# Altium PCB PCB.PcbDoc (part 11 of 11) (continued)
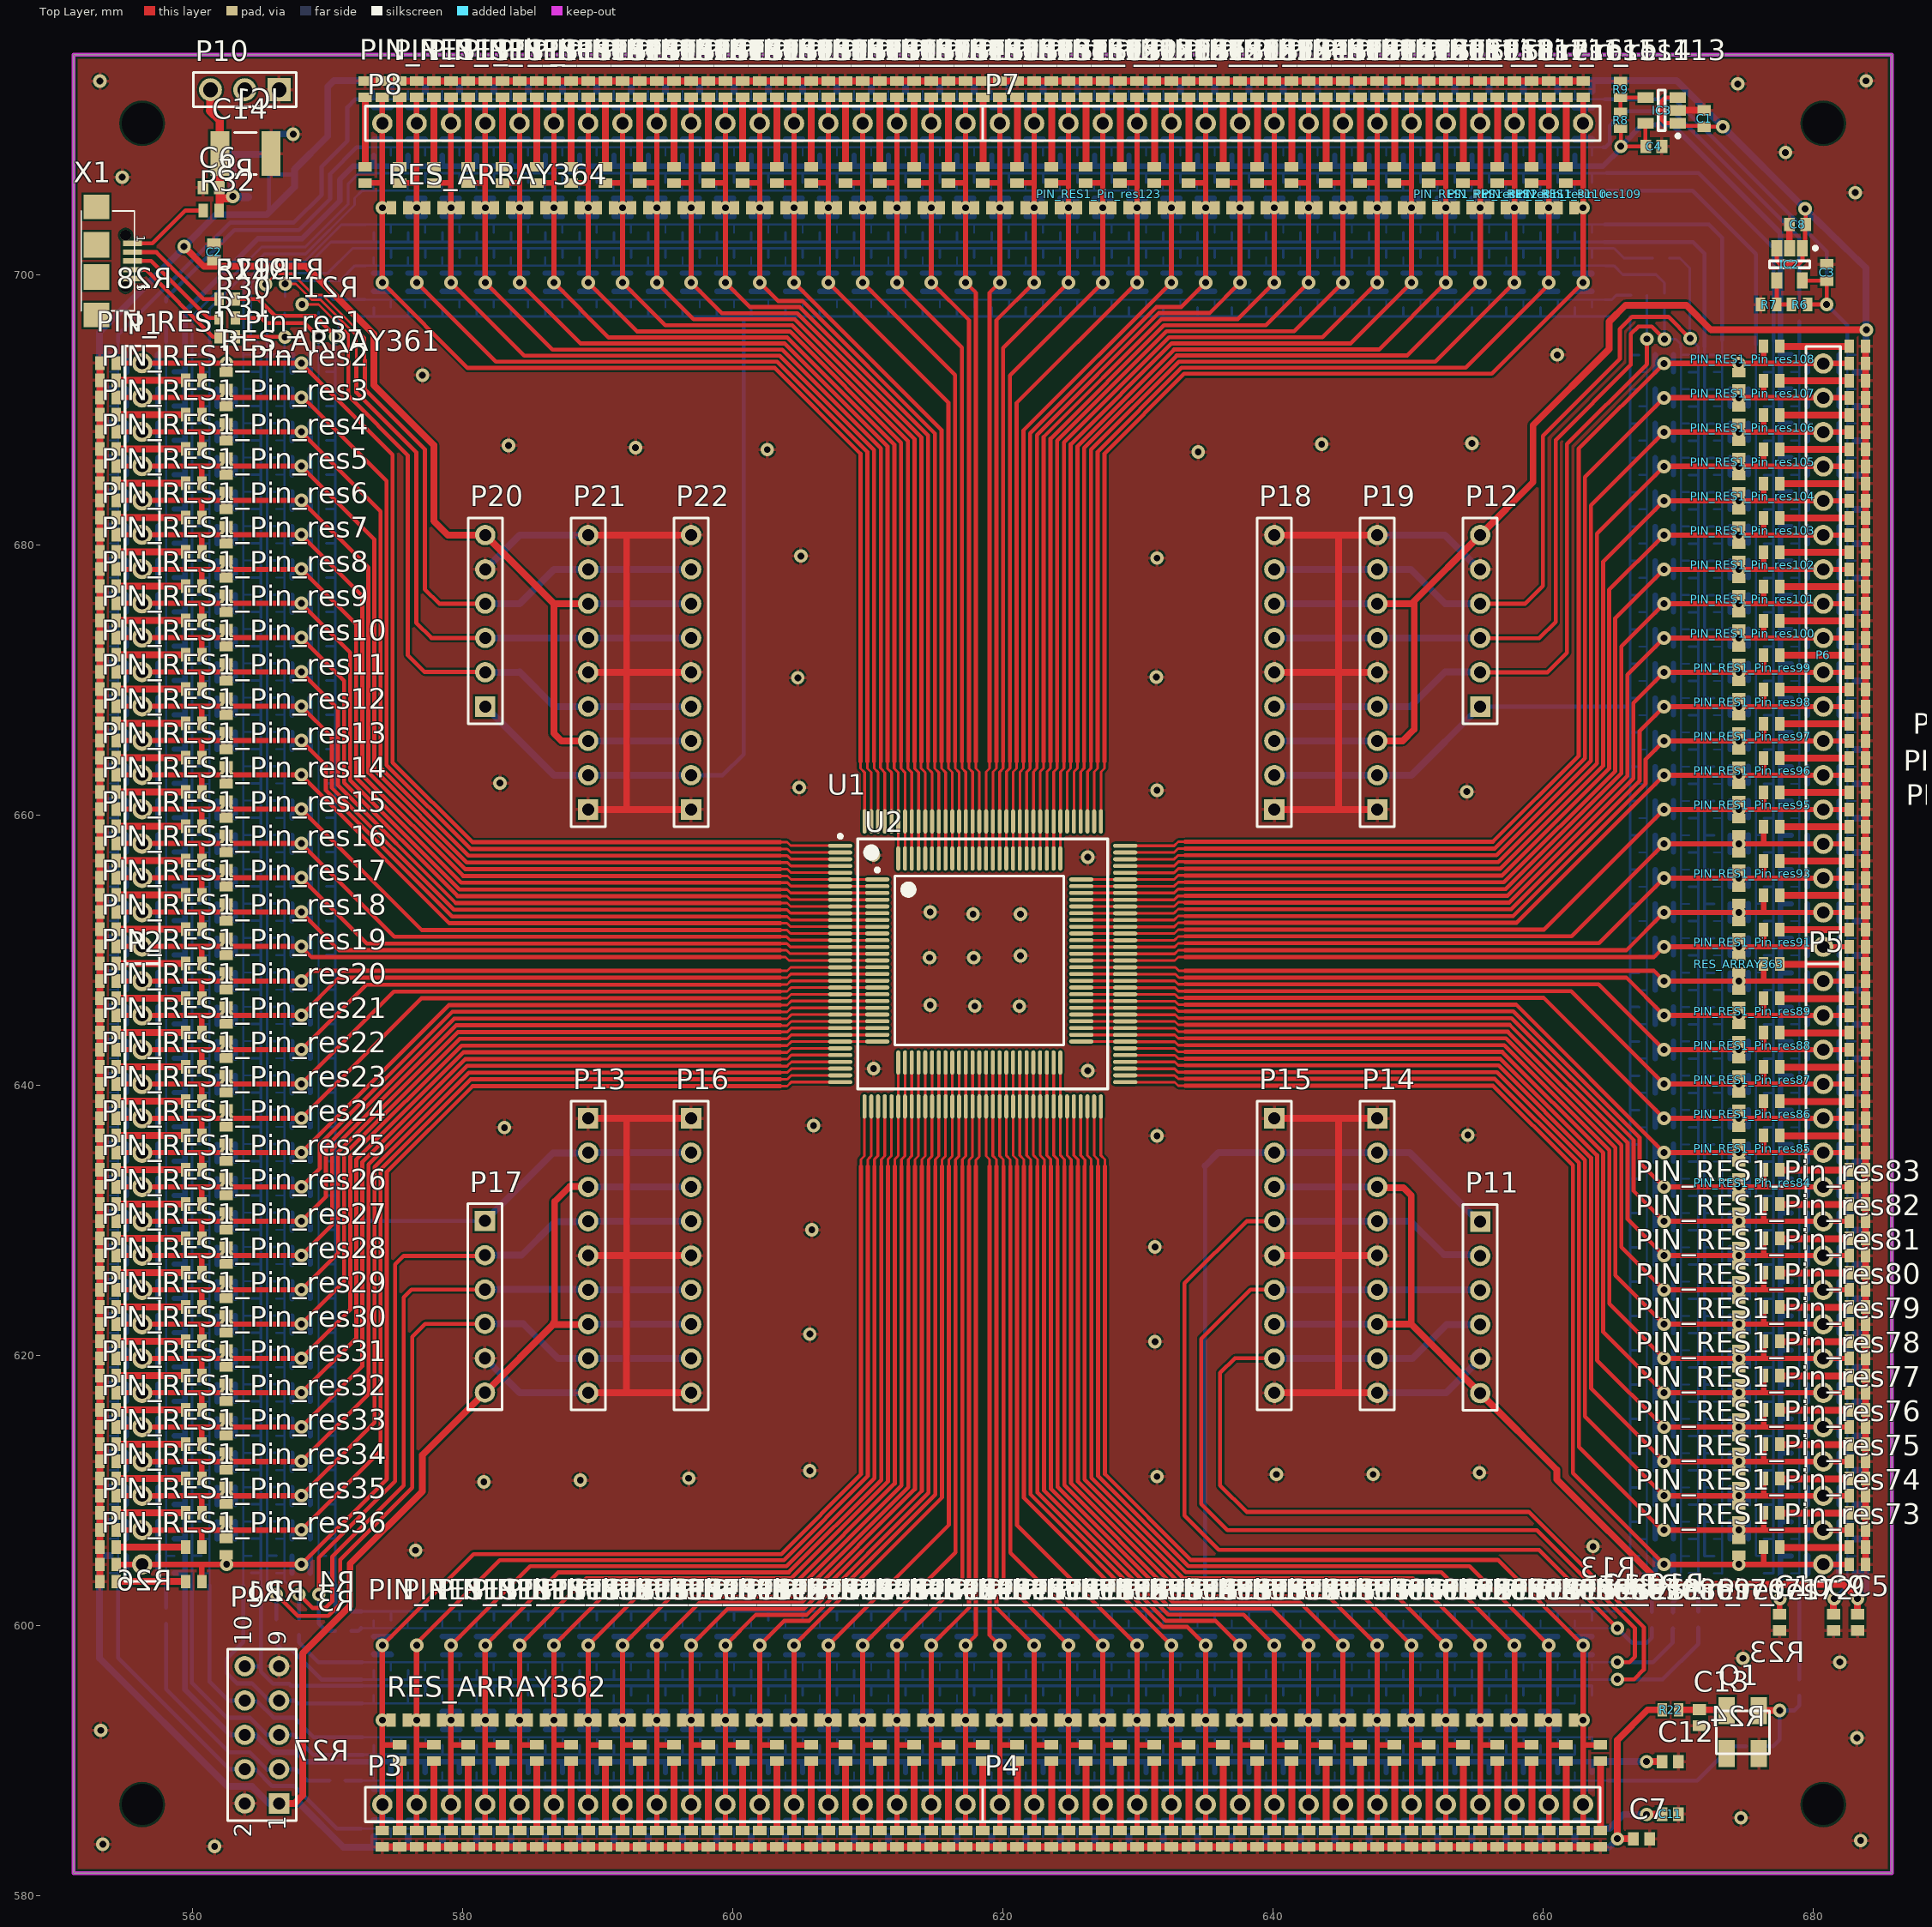
[diagram p0: Top Layer view]
## Nets (pads, with @x,y where several pads share a name; then routed paths per layer and width w, separated by ;. In a path a pad name is that pad's centre, name@x,y a point inside that pad or via, vN(x,y) a via of type N, cw(c..) or ccw(c..) an arc to the next point about the centre after c; other vN are vias at no path point) (continued)
  Top Layer w0.3: IC2.5@679.181,699.561 680.964,699.561 C3.1@680.974,699.551 v1(680.974,697.789) R6.1@679.567,697.789
  Top Layer w0.5: v1(667.639,586.003) 667.664,586.029 C11.1@668.792,586.029 ; C9.1@681.482,600.827 681.482,601.929 v1(681.533,601.98)
  Bottom Layer w0.15: PIN_RES1_Pin_res36.3@553.882,603.885 554.482,603.885 ; PIN_RES1_Pin_res35.3@553.882,606.425 554.482,606.425 ; PIN_RES1_Pin_res34.3@553.882,608.965 554.482,608.965 ; PIN_RES1_Pin_res33.3@553.882,611.505 554.482,611.505 ; PIN_RES1_Pin_res32.3@553.882,614.045 554.482,614.045 ; PIN_RES1_Pin_res31.3@553.882,616.585 554.482,616.585 ; PIN_RES1_Pin_res30.3@553.882,619.125 554.482,619.125 ; PIN_RES1_Pin_res29.3@553.882,621.665 554.482,621.665 ; PIN_RES1_Pin_res28.3@553.882,624.205 554.482,624.205 ; PIN_RES1_Pin_res27.3@553.882,626.745 554.482,626.745 ; PIN_RES1_Pin_res26.3@553.882,629.285 554.482,629.285 ; PIN_RES1_Pin_res25.3@553.882,631.825 554.482,631.825 ; PIN_RES1_Pin_res24.3@553.882,634.365 554.482,634.365 ; PIN_RES1_Pin_res23.3@553.882,636.905 554.482,636.905 ; PIN_RES1_Pin_res22.3@553.882,639.445 554.482,639.445 ; PIN_RES1_Pin_res21.3@553.882,641.985 554.482,641.985 ; PIN_RES1_Pin_res20.3@553.882,644.525 554.482,644.525 ; PIN_RES1_Pin_res19.3@553.882,647.065 554.482,647.065 ; PIN_RES1_Pin_res18.3@553.882,649.63 554.482,649.63 ; PIN_RES1_Pin_res17.3@553.882,652.17 554.482,652.17 ; PIN_RES1_Pin_res16.3@553.882,654.71 554.482,654.71 ; PIN_RES1_Pin_res15.3@553.882,657.25 554.482,657.25 ; PIN_RES1_Pin_res14.3@553.882,659.79 554.482,659.79 ; PIN_RES1_Pin_res13.3@553.882,662.33 554.482,662.33 ; PIN_RES1_Pin_res12.3@553.882,664.87 554.482,664.87 ; PIN_RES1_Pin_res11.3@553.882,667.41 554.482,667.41 ; PIN_RES1_Pin_res10.3@553.882,669.95 554.482,669.95 ; PIN_RES1_Pin_res9.3@553.882,672.49 554.482,672.49 ; PIN_RES1_Pin_res8.3@553.882,675.03 554.482,675.03 ; PIN_RES1_Pin_res7.3@553.882,677.57 554.482,677.57 ; PIN_RES1_Pin_res6.3@553.882,680.11 554.482,680.11 ; PIN_RES1_Pin_res5.3@553.882,682.65 554.482,682.65 ; PIN_RES1_Pin_res4.3@553.882,685.19 554.482,685.19 ; PIN_RES1_Pin_res3.3@553.882,687.73 554.482,687.73 ; PIN_RES1_Pin_res2.3@553.882,690.27 554.482,690.27 ; PIN_RES1_Pin_res1.3@554.182,692.81 PIN_RES1_Pin_res1.3@553.882,692.81 554.482,692.81 ; 554.482,602.996 554.482,603.885 ; 554.482,695.02 554.482,692.81 ; 572.465,584.962 574.675,584.962 ; 572.643,712.978 573.405,712.978 ; PIN_RES1_Pin_res144.3@573.405,713.578 573.405,712.978 ; PIN_RES1_Pin_res37.3@574.675,584.662 PIN_RES1_Pin_res37.3@574.675,584.362 574.675,584.962 ; PIN_RES1_Pin_res143.3@575.945,713.578 575.945,712.978 ; PIN_RES1_Pin_res38.3@577.215,584.362 577.215,584.962 ; PIN_RES1_Pin_res142.3@578.485,713.578 578.485,712.978 ; PIN_RES1_Pin_res39.3@579.755,584.362 579.755,584.962 ; PIN_RES1_Pin_res141.3@581.025,713.578 581.025,712.978 ; PIN_RES1_Pin_res40.3@582.295,584.362 582.295,584.962 ; PIN_RES1_Pin_res140.3@583.565,713.578 583.565,712.978 ; PIN_RES1_Pin_res41.3@584.835,584.362 584.835,584.962 ; PIN_RES1_Pin_res139.3@586.105,713.578 586.105,712.978 ; PIN_RES1_Pin_res42.3@587.375,584.362 587.375,584.962 ; PIN_RES1_Pin_res138.3@588.645,713.578 588.645,712.978 ; PIN_RES1_Pin_res43.3@589.915,584.362 589.915,584.962 ; PIN_RES1_Pin_res137.3@591.185,713.578 591.185,712.978 ; PIN_RES1_Pin_res44.3@592.455,584.362 592.455,584.962 ; PIN_RES1_Pin_res136.3@593.725,713.578 593.725,712.978 ; PIN_RES1_Pin_res45.3@594.995,584.362 594.995,584.962 ; PIN_RES1_Pin_res135.3@596.265,713.578 596.265,712.978 ; PIN_RES1_Pin_res46.3@597.535,584.362 597.535,584.962 ; PIN_RES1_Pin_res134.3@598.805,713.578 598.805,712.978 ; PIN_RES1_Pin_res47.3@600.075,584.362 600.075,584.962 ; PIN_RES1_Pin_res133.3@601.345,713.578 601.345,712.978 ; PIN_RES1_Pin_res48.3@602.615,584.362 602.615,584.962 ; PIN_RES1_Pin_res132.3@603.885,713.578 603.885,712.978 ; PIN_RES1_Pin_res49.3@605.155,584.362 605.155,584.962 ; PIN_RES1_Pin_res131.3@606.425,713.578 606.425,712.978 ; PIN_RES1_Pin_res50.3@607.695,584.362 607.695,584.962 ; PIN_RES1_Pin_res130.3@608.965,713.578 608.965,712.978 ; PIN_RES1_Pin_res51.3@610.235,584.362 610.235,584.962 ; PIN_RES1_Pin_res129.3@611.505,713.578 611.505,712.978 ; PIN_RES1_Pin_res52.3@612.775,584.362 612.775,584.962 ; PIN_RES1_Pin_res128.3@614.045,713.578 614.045,712.978 ; PIN_RES1_Pin_res53.3@615.315,584.362 615.315,584.962 ; PIN_RES1_Pin_res127.3@616.585,713.578 616.585,712.978 ; PIN_RES1_Pin_res54.3@617.855,584.362 617.855,584.962 ; PIN_RES1_Pin_res126.3@619.15,713.578 619.15,712.978 ; PIN_RES1_Pin_res55.3@620.42,584.362 620.42,584.962 ; PIN_RES1_Pin_res125.3@621.69,713.578 621.69,712.978 ; PIN_RES1_Pin_res56.3@622.96,584.362 622.96,584.962 ; PIN_RES1_Pin_res124.3@624.23,713.578 624.23,712.978 ; PIN_RES1_Pin_res57.3@625.5,584.362 625.5,584.962 ; PIN_RES1_Pin_res123.3@626.77,713.578 626.77,712.978 ; PIN_RES1_Pin_res58.3@628.04,584.362 628.04,584.962 ; PIN_RES1_Pin_res122.3@629.31,713.578 629.31,712.978 ; PIN_RES1_Pin_res59.3@630.58,584.362 630.58,584.962 ; PIN_RES1_Pin_res121.3@631.85,713.578 631.85,712.978 ; PIN_RES1_Pin_res60.3@633.12,584.362 633.12,584.962 ; PIN_RES1_Pin_res120.3@634.39,713.578 634.39,712.978 ; PIN_RES1_Pin_res61.3@635.66,584.362 635.66,584.962 ; PIN_RES1_Pin_res119.3@636.93,713.578 636.93,712.978 ; PIN_RES1_Pin_res62.3@638.2,584.362 638.2,584.962 ; PIN_RES1_Pin_res118.3@639.47,713.578 639.47,712.978 ; PIN_RES1_Pin_res63.3@640.74,584.362 640.74,584.962 ; PIN_RES1_Pin_res117.3@642.01,713.578 642.01,712.978 ; PIN_RES1_Pin_res64.3@643.28,584.362 643.28,584.962 ; PIN_RES1_Pin_res116.3@644.55,713.578 644.55,712.978 ; PIN_RES1_Pin_res65.3@645.82,584.362 645.82,584.962 ; PIN_RES1_Pin_res115.3@647.09,713.578 647.09,712.978 ; PIN_RES1_Pin_res66.3@648.36,584.362 648.36,584.962 ; PIN_RES1_Pin_res114.3@649.63,713.578 649.63,712.978 ; PIN_RES1_Pin_res67.3@650.9,584.362 650.9,584.962 ; PIN_RES1_Pin_res113.3@652.17,713.578 652.17,712.978 ; PIN_RES1_Pin_res68.3@653.44,584.362 653.44,584.962 ; PIN_RES1_Pin_res112.3@654.71,713.578 654.71,712.978 ; PIN_RES1_Pin_res69.3@655.98,584.362 655.98,584.962 ; PIN_RES1_Pin_res111.3@657.25,713.578 657.25,712.978 ; PIN_RES1_Pin_res70.3@658.52,584.362 658.52,584.962 ; PIN_RES1_Pin_res110.3@659.79,713.578 659.79,712.978 ; PIN_RES1_Pin_res71.3@661.06,584.362 661.06,584.962 ; PIN_RES1_Pin_res109.3@662.33,713.578 662.33,712.978 ; PIN_RES1_Pin_res72.3@663.6,584.362 663.6,584.962 ; 664.464,584.962 663.6,584.962 ; 664.54,712.978 662.33,712.978 ; v1(681.533,601.98) v1@681.558,601.98 ; 682.498,602.92 682.498,605.13 ; 682.498,694.868 682.498,694.055 ; PIN_RES1_Pin_res73.3@683.098,605.13 682.498,605.13 ; PIN_RES1_Pin_res74.3@683.098,607.67 682.498,607.67 ; PIN_RES1_Pin_res75.3@683.098,610.21 682.498,610.21 ; PIN_RES1_Pin_res76.3@683.098,612.75 682.498,612.75 ; PIN_RES1_Pin_res77.3@683.098,615.29 682.498,615.29 ; PIN_RES1_Pin_res78.3@683.098,617.83 682.498,617.83 ; PIN_RES1_Pin_res79.3@683.098,620.37 682.498,620.37 ; PIN_RES1_Pin_res80.3@683.098,622.91 682.498,622.91 ; PIN_RES1_Pin_res81.3@683.098,625.45 682.498,625.45 ; PIN_RES1_Pin_res82.3@683.098,627.99 682.498,627.99 ; PIN_RES1_Pin_res83.3@683.098,630.53 682.498,630.53 ; PIN_RES1_Pin_res84.3@683.098,633.07 682.498,633.07 ; PIN_RES1_Pin_res85.3@683.098,635.61 682.498,635.61 ; PIN_RES1_Pin_res86.3@683.098,638.15 682.498,638.15 ; PIN_RES1_Pin_res87.3@683.098,640.69 682.498,640.69 ; PIN_RES1_Pin_res88.3@683.098,643.23 682.498,643.23 ; PIN_RES1_Pin_res89.3@683.098,645.77 682.498,645.77 ; PIN_RES1_Pin_res90.3@683.098,648.31 682.498,648.31 ; PIN_RES1_Pin_res91.3@683.098,650.875 682.498,650.875 ; PIN_RES1_Pin_res92.3@683.098,653.415 682.498,653.415 ; PIN_RES1_Pin_res93.3@683.098,655.955 682.498,655.955 ; PIN_RES1_Pin_res94.3@683.098,658.495 682.498,658.495 ; PIN_RES1_Pin_res95.3@683.098,661.035 682.498,661.035 ; PIN_RES1_Pin_res96.3@683.098,663.575 682.498,663.575 ; PIN_RES1_Pin_res97.3@683.098,666.115 682.498,666.115 ; PIN_RES1_Pin_res98.3@683.098,668.655 682.498,668.655 ; PIN_RES1_Pin_res99.3@683.098,671.195 682.498,671.195 ; PIN_RES1_Pin_res100.3@683.098,673.735 682.498,673.735 ; PIN_RES1_Pin_res101.3@683.098,676.275 682.498,676.275 ; PIN_RES1_Pin_res102.3@683.098,678.815 682.498,678.815 ; PIN_RES1_Pin_res103.3@683.098,681.355 682.498,681.355 ; PIN_RES1_Pin_res104.3@683.098,683.895 682.498,683.895 ; PIN_RES1_Pin_res105.3@683.098,686.435 682.498,686.435 ; PIN_RES1_Pin_res106.3@683.098,688.975 682.498,688.975 ; PIN_RES1_Pin_res107.3@683.098,691.515 682.498,691.515 ; PIN_RES1_Pin_res108.3@683.098,694.055 682.498,694.055 ; 554.482,603.885 554.482,606.425 ; 554.482,606.425 554.482,608.965 ; 554.482,608.965 554.482,611.505 ; 554.482,611.505 554.482,614.045 ; 554.482,614.045 554.482,616.585 ; 554.482,616.585 554.482,619.125 ; 554.482,619.125 554.482,621.665 ; 554.482,621.665 554.482,624.205 ; 554.482,624.205 554.482,626.745 ; 554.482,626.745 554.482,629.285 ; 554.482,629.285 554.482,631.825 ; 554.482,631.825 554.482,634.365 ; 554.482,634.365 554.482,636.905 ; 554.482,636.905 554.482,639.445 ; 554.482,639.445 554.482,641.985 ; 554.482,641.985 554.482,644.525 ; 554.482,644.525 554.482,647.065 ; 554.482,647.065 554.482,649.63 ; 554.482,649.63 554.482,652.17 ; 554.482,652.17 554.482,654.71 ; 554.482,654.71 554.482,657.25 ; 554.482,657.25 554.482,659.79 ; 554.482,659.79 554.482,662.33 ; 554.482,662.33 554.482,664.87 ; 554.482,664.87 554.482,667.41 ; 554.482,667.41 554.482,669.95 ; 554.482,669.95 554.482,672.49 ; 554.482,672.49 554.482,675.03 ; 554.482,675.03 554.482,677.57 ; 554.482,677.57 554.482,680.11 ; 554.482,680.11 554.482,682.65 ; 554.482,682.65 554.482,685.19 ; 554.482,685.19 554.482,687.73 ; 554.482,687.73 554.482,690.27 ; 554.482,690.27 554.482,692.81 ; 573.405,712.978 575.945,712.978 ; 574.675,584.962 577.215,584.962 ; 575.945,712.978 578.485,712.978 ; 577.215,584.962 579.755,584.962 ; 578.485,712.978 581.025,712.978 ; 579.755,584.962 582.295,584.962 ; 581.025,712.978 583.565,712.978 ; 582.295,584.962 584.835,584.962 ; 583.565,712.978 586.105,712.978 ; 584.835,584.962 587.375,584.962 ; 586.105,712.978 588.645,712.978 ; 587.375,584.962 589.915,584.962 ; 588.645,712.978 591.185,712.978 ; 589.915,584.962 592.455,584.962 ; 591.185,712.978 593.725,712.978 ; 592.455,584.962 594.995,584.962 ; 593.725,712.978 596.265,712.978 ; 594.995,584.962 597.535,584.962 ; 596.265,712.978 598.805,712.978 ; 597.535,584.962 600.075,584.962 ; 598.805,712.978 601.345,712.978 ; 600.075,584.962 602.615,584.962 ; 601.345,712.978 603.885,712.978 ; 602.615,584.962 605.155,584.962 ; 603.885,712.978 606.425,712.978 ; 605.155,584.962 607.695,584.962 ; 606.425,712.978 608.965,712.978 ; 607.695,584.962 610.235,584.962 ; 608.965,712.978 611.505,712.978 ; 610.235,584.962 612.775,584.962 ; 611.505,712.978 614.045,712.978 ; 612.775,584.962 615.315,584.962 ; 614.045,712.978 616.585,712.978 ; 615.315,584.962 617.855,584.962 ; 616.585,712.978 619.15,712.978 ; 617.855,584.962 620.42,584.962 ; 619.15,712.978 621.69,712.978 ; 620.42,584.962 622.96,584.962 ; 621.69,712.978 624.23,712.978 ; 622.96,584.962 625.5,584.962 ; 624.23,712.978 626.77,712.978 ; 625.5,584.962 628.04,584.962 ; 626.77,712.978 629.31,712.978 ; 628.04,584.962 630.58,584.962 ; 629.31,712.978 631.85,712.978 ; 630.58,584.962 633.12,584.962 ; 631.85,712.978 634.39,712.978 ; 633.12,584.962 635.66,584.962 ; 634.39,712.978 636.93,712.978 ; 635.66,584.962 638.2,584.962 ; 636.93,712.978 639.47,712.978 ; 638.2,584.962 640.74,584.962 ; 639.47,712.978 642.01,712.978 ; 640.74,584.962 643.28,584.962 ; 642.01,712.978 644.55,712.978 ; 643.28,584.962 645.82,584.962 ; 644.55,712.978 647.09,712.978 ; 645.82,584.962 648.36,584.962 ; 647.09,712.978 649.63,712.978 ; 648.36,584.962 650.9,584.962 ; 649.63,712.978 652.17,712.978 ; 650.9,584.962 653.44,584.962 ; 652.17,712.978 654.71,712.978 ; 653.44,584.962 655.98,584.962 ; 654.71,712.978 657.25,712.978 ; 655.98,584.962 658.52,584.962 ; 657.25,712.978 659.79,712.978 ; 658.52,584.962 661.06,584.962 ; 659.79,712.978 662.33,712.978 ; 661.06,584.962 663.6,584.962 ; 682.498,605.13 682.498,607.67 ; 682.498,607.67 682.498,610.21 ; 682.498,610.21 682.498,612.75 ; 682.498,612.75 682.498,615.29 ; 682.498,615.29 682.498,617.83 ; 682.498,617.83 682.498,620.37 ; 682.498,620.37 682.498,622.91 ; 682.498,622.91 682.498,625.45 ; 682.498,625.45 682.498,627.99 ; 682.498,627.99 682.498,630.53 ; 682.498,630.53 682.498,633.07 ; 682.498,633.07 682.498,635.61 ; 682.498,635.61 682.498,638.15 ; 682.498,638.15 682.498,640.69 ; 682.498,640.69 682.498,643.23 ; 682.498,643.23 682.498,645.77 ; 682.498,645.77 682.498,648.31 ; 682.498,648.31 682.498,650.875 ; 682.498,650.875 682.498,653.415 ; 682.498,653.415 682.498,655.955 ; 682.498,655.955 682.498,658.495 ; 682.498,658.495 682.498,661.035 ; 682.498,661.035 682.498,663.575 ; 682.498,663.575 682.498,666.115 ; 682.498,666.115 682.498,668.655 ; 682.498,668.655 682.498,671.195 ; 682.498,671.195 682.498,673.735 ; 682.498,673.735 682.498,676.275 ; 682.498,676.275 682.498,678.815 ; 682.498,678.815 682.498,681.355 ; 682.498,681.355 682.498,683.895 ; 682.498,683.895 682.498,686.435 ; 682.498,686.435 682.498,688.975 ; 682.498,688.975 682.498,691.515 ; 682.498,691.515 682.498,694.055
  Bottom Layer w0.3: 554.482,602.996 554.482,597.586 562.712,589.356 P9.4@563.855,589.356 564.642,589.356 565.887,588.112 567.512,588.112 570.662,584.962 572.465,584.962 ; 554.482,695.02 554.482,695.554 562.788,703.859 567.487,703.859 569.544,705.917 569.544,708 571.449,709.905 571.449,712.394 572.033,712.978 572.643,712.978 ; 664.54,712.978 669.696,712.978 680.974,701.7 v1(680.974,697.789) 682.498,696.265 682.498,694.868 ; v1(681.533,601.98) 682.498,602.92
  Bottom Layer w0.5: 664.464,584.962 664.896,584.962 665.937,586.003 v1(667.639,586.003)
VCC3: C4.2 C10.2 C12.2 IC3.5 P9.6 PIN_RES1_Pin_res1.4 PIN_RES1_Pin_res2.4 PIN_RES1_Pin_res3.4 PIN_RES1_Pin_res4.4 PIN_RES1_Pin_res5.4 PIN_RES1_Pin_res6.4 PIN_RES1_Pin_res7.4 PIN_RES1_Pin_res8.4 PIN_RES1_Pin_res9.4 PIN_RES1_Pin_res10.4 PIN_RES1_Pin_res11.4 PIN_RES1_Pin_res12.4 PIN_RES1_Pin_res13.4 PIN_RES1_Pin_res14.4 PIN_RES1_Pin_res15.4 PIN_RES1_Pin_res16.4 PIN_RES1_Pin_res17.4 PIN_RES1_Pin_res18.4 PIN_RES1_Pin_res19.4 PIN_RES1_Pin_res20.4 PIN_RES1_Pin_res21.4 PIN_RES1_Pin_res22.4 PIN_RES1_Pin_res23.4 PIN_RES1_Pin_res24.4 PIN_RES1_Pin_res25.4 PIN_RES1_Pin_res26.4 PIN_RES1_Pin_res27.4 PIN_RES1_Pin_res28.4 PIN_RES1_Pin_res29.4 PIN_RES1_Pin_res30.4 PIN_RES1_Pin_res31.4 PIN_RES1_Pin_res32.4 PIN_RES1_Pin_res33.4 PIN_RES1_Pin_res34.4 PIN_RES1_Pin_res35.4 PIN_RES1_Pin_res36.4 PIN_RES1_Pin_res37.4 PIN_RES1_Pin_res38.4 PIN_RES1_Pin_res39.4 PIN_RES1_Pin_res40.4 PIN_RES1_Pin_res41.4 PIN_RES1_Pin_res42.4 PIN_RES1_Pin_res43.4 PIN_RES1_Pin_res44.4 PIN_RES1_Pin_res45.4 PIN_RES1_Pin_res46.4 PIN_RES1_Pin_res47.4 PIN_RES1_Pin_res48.4 PIN_RES1_Pin_res49.4 PIN_RES1_Pin_res50.4 PIN_RES1_Pin_res51.4 PIN_RES1_Pin_res52.4 PIN_RES1_Pin_res53.4 PIN_RES1_Pin_res54.4 PIN_RES1_Pin_res55.4 PIN_RES1_Pin_res56.4 PIN_RES1_Pin_res57.4 PIN_RES1_Pin_res58.4 PIN_RES1_Pin_res59.4 PIN_RES1_Pin_res60.4 PIN_RES1_Pin_res61.4 PIN_RES1_Pin_res62.4 PIN_RES1_Pin_res63.4 PIN_RES1_Pin_res64.4 PIN_RES1_Pin_res65.4 PIN_RES1_Pin_res66.4 PIN_RES1_Pin_res67.4 PIN_RES1_Pin_res68.4 PIN_RES1_Pin_res69.4 PIN_RES1_Pin_res70.4 PIN_RES1_Pin_res71.4 PIN_RES1_Pin_res72.4 PIN_RES1_Pin_res73.4 PIN_RES1_Pin_res74.4 PIN_RES1_Pin_res75.4 PIN_RES1_Pin_res76.4 PIN_RES1_Pin_res77.4 PIN_RES1_Pin_res78.4 PIN_RES1_Pin_res79.4 PIN_RES1_Pin_res80.4 PIN_RES1_Pin_res81.4 PIN_RES1_Pin_res82.4 PIN_RES1_Pin_res83.4 PIN_RES1_Pin_res84.4 PIN_RES1_Pin_res85.4 PIN_RES1_Pin_res86.4 PIN_RES1_Pin_res87.4 PIN_RES1_Pin_res88.4 PIN_RES1_Pin_res89.4 PIN_RES1_Pin_res90.4 PIN_RES1_Pin_res91.4 PIN_RES1_Pin_res92.4 PIN_RES1_Pin_res93.4 PIN_RES1_Pin_res94.4 PIN_RES1_Pin_res95.4 PIN_RES1_Pin_res96.4 PIN_RES1_Pin_res97.4 PIN_RES1_Pin_res98.4 PIN_RES1_Pin_res99.4 PIN_RES1_Pin_res100.4 PIN_RES1_Pin_res101.4 PIN_RES1_Pin_res102.4 PIN_RES1_Pin_res103.4 PIN_RES1_Pin_res104.4 PIN_RES1_Pin_res105.4 PIN_RES1_Pin_res106.4 PIN_RES1_Pin_res107.4 PIN_RES1_Pin_res108.4 PIN_RES1_Pin_res109.4 PIN_RES1_Pin_res110.4 PIN_RES1_Pin_res111.4 PIN_RES1_Pin_res112.4 PIN_RES1_Pin_res113.4 PIN_RES1_Pin_res114.4 PIN_RES1_Pin_res115.4 PIN_RES1_Pin_res116.4 PIN_RES1_Pin_res117.4 PIN_RES1_Pin_res118.4 PIN_RES1_Pin_res119.4 PIN_RES1_Pin_res120.4 PIN_RES1_Pin_res121.4 PIN_RES1_Pin_res122.4 PIN_RES1_Pin_res123.4 PIN_RES1_Pin_res124.4 PIN_RES1_Pin_res125.4 PIN_RES1_Pin_res126.4 PIN_RES1_Pin_res127.4 PIN_RES1_Pin_res128.4 PIN_RES1_Pin_res129.4 PIN_RES1_Pin_res130.4 PIN_RES1_Pin_res131.4 PIN_RES1_Pin_res132.4 PIN_RES1_Pin_res133.4 PIN_RES1_Pin_res134.4 PIN_RES1_Pin_res135.4 PIN_RES1_Pin_res136.4 PIN_RES1_Pin_res137.4 PIN_RES1_Pin_res138.4 PIN_RES1_Pin_res139.4 PIN_RES1_Pin_res140.4 PIN_RES1_Pin_res141.4 PIN_RES1_Pin_res142.4 PIN_RES1_Pin_res143.4 PIN_RES1_Pin_res144.4 R8.1 | length 560.9
  Top Layer w0.3: R8.1@665.709,710.829 665.734,710.803 v1(665.734,709.498) C4.2@667.572,709.498 667.557,709.514 IC3.5@667.557,711.215
  Top Layer w0.4: C10.2@677.494,600.827 677.494,601.955 v1(677.52,601.98)
  Top Layer w0.5: v1(667.639,589.915) C12.2@668.792,589.915
  Bottom Layer w0.4: PIN_RES1_Pin_res36.4@558.638,603.885 559.308,603.885 559.435,604.012 ; PIN_RES1_Pin_res35.4@558.638,606.425 559.308,606.425 559.435,606.552 ; PIN_RES1_Pin_res34.4@558.638,608.965 559.41,608.965 559.435,608.99 ; PIN_RES1_Pin_res33.4@558.638,611.505 559.41,611.505 ; PIN_RES1_Pin_res32.4@558.638,614.045 559.41,614.045 ; PIN_RES1_Pin_res31.4@558.638,616.585 559.41,616.585 ; PIN_RES1_Pin_res30.4@558.638,619.125 559.41,619.125 ; PIN_RES1_Pin_res29.4@558.638,621.665 559.41,621.665 ; PIN_RES1_Pin_res28.4@558.638,624.205 559.41,624.205 ; PIN_RES1_Pin_res27.4@558.638,626.745 559.41,626.745 ; PIN_RES1_Pin_res26.4@558.638,629.285 559.41,629.285 ; PIN_RES1_Pin_res25.4@558.638,631.825 559.41,631.825 ; PIN_RES1_Pin_res24.4@558.638,634.365 559.41,634.365 ; PIN_RES1_Pin_res23.4@558.638,636.905 559.41,636.905 ; PIN_RES1_Pin_res22.4@558.638,639.445 559.41,639.445 ; PIN_RES1_Pin_res21.4@558.638,641.985 559.41,641.985 ; PIN_RES1_Pin_res20.4@558.638,644.525 559.41,644.525 ; PIN_RES1_Pin_res19.4@558.638,647.065 559.41,647.065 ; PIN_RES1_Pin_res18.4@558.638,649.63 559.41,649.63 ; PIN_RES1_Pin_res17.4@558.638,652.17 559.41,652.17 ; PIN_RES1_Pin_res16.4@558.638,654.71 559.41,654.71 ; PIN_RES1_Pin_res15.4@558.638,657.25 559.41,657.25 ; PIN_RES1_Pin_res14.4@558.638,659.79 559.41,659.79 ; PIN_RES1_Pin_res13.4@558.638,662.33 559.41,662.33 ; PIN_RES1_Pin_res12.4@558.638,664.87 559.41,664.87 ; PIN_RES1_Pin_res11.4@558.638,667.41 559.41,667.41 ; PIN_RES1_Pin_res10.4@558.638,669.95 559.41,669.95 ; PIN_RES1_Pin_res9.4@558.638,672.49 559.41,672.49 ; PIN_RES1_Pin_res8.4@558.638,675.03 559.41,675.03 ; PIN_RES1_Pin_res7.4@558.638,677.57 559.41,677.57 ; PIN_RES1_Pin_res6.4@558.638,680.11 559.41,680.11 ; PIN_RES1_Pin_res5.4@558.638,682.65 559.41,682.65 ; PIN_RES1_Pin_res4.4@558.638,685.19 559.41,685.19 ; PIN_RES1_Pin_res3.4@558.638,687.73 559.41,687.73 ; PIN_RES1_Pin_res2.4@558.638,690.27 559.41,690.27 ; PIN_RES1_Pin_res1.4@558.638,692.81 559.435,692.81 ; PIN_RES1_Pin_res144.4@573.405,708.822 573.405,708.152 573.532,708.025 ; PIN_RES1_Pin_res37.4@574.675,589.118 574.675,589.915 ; PIN_RES1_Pin_res143.4@575.945,708.822 575.945,708.152 576.072,708.025 ; PIN_RES1_Pin_res38.4@577.215,589.118 577.215,589.89 ; PIN_RES1_Pin_res142.4@578.485,708.822 578.485,708.05 578.51,708.025 ; PIN_RES1_Pin_res39.4@579.755,589.118 579.755,589.89 ; 581.025,708.05 PIN_RES1_Pin_res141.4@581.025,708.822 ; PIN_RES1_Pin_res40.4@582.295,589.118 582.295,589.89 ; 583.565,708.05 PIN_RES1_Pin_res140.4@583.565,708.822 ; PIN_RES1_Pin_res41.4@584.835,589.118 584.835,589.89 ; 586.105,708.05 PIN_RES1_Pin_res139.4@586.105,708.822 ; PIN_RES1_Pin_res42.4@587.375,589.118 587.375,589.89 ; 588.645,708.05 PIN_RES1_Pin_res138.4@588.645,708.822 ; PIN_RES1_Pin_res43.4@589.915,589.118 589.915,589.89 ; 591.185,708.05 PIN_RES1_Pin_res137.4@591.185,708.822 ; PIN_RES1_Pin_res44.4@592.455,589.118 592.455,589.89 ; 593.725,708.05 PIN_RES1_Pin_res136.4@593.725,708.822 ; PIN_RES1_Pin_res45.4@594.995,589.118 594.995,589.89 ; 596.265,708.05 PIN_RES1_Pin_res135.4@596.265,708.822 ; PIN_RES1_Pin_res46.4@597.535,589.118 597.535,589.89 ; 598.805,708.05 PIN_RES1_Pin_res134.4@598.805,708.822 ; PIN_RES1_Pin_res47.4@600.075,589.118 600.075,589.89 ; 601.345,708.05 PIN_RES1_Pin_res133.4@601.345,708.822 ; PIN_RES1_Pin_res48.4@602.615,589.118 602.615,589.89 ; 603.885,708.05 PIN_RES1_Pin_res132.4@603.885,708.822 ; PIN_RES1_Pin_res49.4@605.155,589.118 605.155,589.89 ; 606.425,708.05 PIN_RES1_Pin_res131.4@606.425,708.822 ; PIN_RES1_Pin_res50.4@607.695,589.118 607.695,589.89 ; 608.965,708.05 PIN_RES1_Pin_res130.4@608.965,708.822 ; PIN_RES1_Pin_res51.4@610.235,589.118 610.235,589.89 ; 611.505,708.05 PIN_RES1_Pin_res129.4@611.505,708.822 ; PIN_RES1_Pin_res52.4@612.775,589.118 612.775,589.89 ; 614.045,708.05 PIN_RES1_Pin_res128.4@614.045,708.822 ; PIN_RES1_Pin_res53.4@615.315,589.118 615.315,589.89 ; 616.585,708.05 PIN_RES1_Pin_res127.4@616.585,708.822 ; PIN_RES1_Pin_res54.4@617.855,589.118 617.855,589.89 ; 619.15,708.05 PIN_RES1_Pin_res126.4@619.15,708.822 ; PIN_RES1_Pin_res55.4@620.42,589.118 620.42,589.89 ; 621.69,708.05 PIN_RES1_Pin_res125.4@621.69,708.822 ; PIN_RES1_Pin_res56.4@622.96,589.118 622.96,589.89 ; 624.23,708.05 PIN_RES1_Pin_res124.4@624.23,708.822 ; PIN_RES1_Pin_res57.4@625.5,589.118 625.5,589.89 ; 626.77,708.05 PIN_RES1_Pin_res123.4@626.77,708.822 ; PIN_RES1_Pin_res58.4@628.04,589.118 628.04,589.89 ; 629.31,708.05 PIN_RES1_Pin_res122.4@629.31,708.822 ; PIN_RES1_Pin_res59.4@630.58,589.118 630.58,589.89 ; 631.85,708.05 PIN_RES1_Pin_res121.4@631.85,708.822 ; PIN_RES1_Pin_res60.4@633.12,589.118 633.12,589.89 ; 634.39,708.05 PIN_RES1_Pin_res120.4@634.39,708.822 ; PIN_RES1_Pin_res61.4@635.66,589.118 635.66,589.89 ; 636.93,708.05 PIN_RES1_Pin_res119.4@636.93,708.822 ; PIN_RES1_Pin_res62.4@638.2,589.118 638.2,589.89 ; 639.47,708.05 PIN_RES1_Pin_res118.4@639.47,708.822 ; PIN_RES1_Pin_res63.4@640.74,589.118 640.74,589.89 ; 642.01,708.05 PIN_RES1_Pin_res117.4@642.01,708.822 ; PIN_RES1_Pin_res64.4@643.28,589.118 643.28,589.89 ; 644.55,708.05 PIN_RES1_Pin_res116.4@644.55,708.822 ; PIN_RES1_Pin_res65.4@645.82,589.118 645.82,589.89 ; 647.09,708.05 PIN_RES1_Pin_res115.4@647.09,708.822 ; PIN_RES1_Pin_res66.4@648.36,589.118 648.36,589.89 ; 649.63,708.05 PIN_RES1_Pin_res114.4@649.63,708.822 ; PIN_RES1_Pin_res67.4@650.9,589.118 650.9,589.89 ; 652.17,708.05 PIN_RES1_Pin_res113.4@652.17,708.822 ; PIN_RES1_Pin_res68.4@653.44,589.118 653.44,589.89 ; 654.71,708.05 PIN_RES1_Pin_res112.4@654.71,708.822 ; PIN_RES1_Pin_res69.4@655.98,589.118 655.98,589.89 ; 657.25,708.05 PIN_RES1_Pin_res111.4@657.25,708.822 ; PIN_RES1_Pin_res70.4@658.52,589.118 658.52,589.89 658.495,589.915 ; 659.79,708.05 PIN_RES1_Pin_res110.4@659.79,708.822 ; PIN_RES1_Pin_res71.4@661.06,589.118 661.06,589.788 660.933,589.915 ; PIN_RES1_Pin_res109.4@662.33,708.822 662.33,708.025 ; PIN_RES1_Pin_res72.4@663.6,589.118 663.6,589.788 663.473,589.915 ; 664.515,589.915 663.473,589.915 ; v1(677.52,601.98) 677.545,602.005 677.545,605.13 ; 677.57,607.67 PIN_RES1_Pin_res74.4@678.342,607.67 ; 677.57,610.21 PIN_RES1_Pin_res75.4@678.342,610.21 ; 677.57,612.75 PIN_RES1_Pin_res76.4@678.342,612.75 ; 677.57,615.29 PIN_RES1_Pin_res77.4@678.342,615.29 ; 677.57,617.83 PIN_RES1_Pin_res78.4@678.342,617.83 ; 677.57,620.37 PIN_RES1_Pin_res79.4@678.342,620.37 ; 677.57,622.91 PIN_RES1_Pin_res80.4@678.342,622.91 ; 677.57,625.45 PIN_RES1_Pin_res81.4@678.342,625.45 ; 677.57,627.99 PIN_RES1_Pin_res82.4@678.342,627.99 ; 677.57,630.53 PIN_RES1_Pin_res83.4@678.342,630.53 ; 677.57,633.07 PIN_RES1_Pin_res84.4@678.342,633.07 ; 677.57,635.61 PIN_RES1_Pin_res85.4@678.342,635.61 ; 677.57,638.15 PIN_RES1_Pin_res86.4@678.342,638.15 ; 677.57,640.69 PIN_RES1_Pin_res87.4@678.342,640.69 ; 677.57,643.23 PIN_RES1_Pin_res88.4@678.342,643.23 ; 677.57,645.77 PIN_RES1_Pin_res89.4@678.342,645.77 ; 677.57,648.31 PIN_RES1_Pin_res90.4@678.342,648.31 ; 677.57,650.875 PIN_RES1_Pin_res91.4@678.342,650.875 ; 677.57,653.415 PIN_RES1_Pin_res92.4@678.342,653.415 ; 677.57,655.955 PIN_RES1_Pin_res93.4@678.342,655.955 ; 677.57,658.495 PIN_RES1_Pin_res94.4@678.342,658.495 ; 677.57,661.035 PIN_RES1_Pin_res95.4@678.342,661.035 ; 677.57,663.575 PIN_RES1_Pin_res96.4@678.342,663.575 ; 677.57,666.115 PIN_RES1_Pin_res97.4@678.342,666.115 ; 677.57,668.655 PIN_RES1_Pin_res98.4@678.342,668.655 ; 677.57,671.195 PIN_RES1_Pin_res99.4@678.342,671.195 ; 677.57,673.735 PIN_RES1_Pin_res100.4@678.342,673.735 ; 677.57,676.275 PIN_RES1_Pin_res101.4@678.342,676.275 ; 677.57,678.815 PIN_RES1_Pin_res102.4@678.342,678.815 ; 677.57,681.355 PIN_RES1_Pin_res103.4@678.342,681.355 ; 677.57,683.895 PIN_RES1_Pin_res104.4@678.342,683.895 ; 677.57,686.435 PIN_RES1_Pin_res105.4@678.342,686.435 ; PIN_RES1_Pin_res73.4@678.342,605.13 677.545,605.13 ; PIN_RES1_Pin_res106.4@678.342,688.975 677.57,688.975 677.545,688.95 ; PIN_RES1_Pin_res107.4@678.342,691.515 677.672,691.515 677.545,691.388 ; PIN_RES1_Pin_res108.4@678.342,694.055 677.672,694.055 677.545,693.928 ; 559.435,604.012 559.435,606.552 ; 559.435,604.012 559.435,595.249 562.788,591.896 P9.6@563.855,591.896 564.642,591.896 565.937,590.601 567.69,590.601 568.376,589.915 574.675,589.915 ; 559.435,606.552 559.435,608.99 ; 559.435,608.99 559.435,692.81 ; 559.435,692.81 559.435,697.281 564.82,702.666 568.096,702.666 570.89,705.46 570.89,707.034 571.881,708.025 573.532,708.025 ; 573.532,708.025 576.072,708.025 ; 574.675,589.915 658.495,589.915 ; 576.072,708.025 578.51,708.025 ; 578.51,708.025 662.33,708.025 ; 658.495,589.915 660.933,589.915 ; 660.933,589.915 663.473,589.915 ; 662.33,708.025 664.413,708.025 665.734,709.346 v1(665.734,709.498) 667.334,711.098 669.519,711.098 677.545,703.072 677.545,693.928 ; 677.545,605.13 677.545,688.95 ; 677.545,688.95 677.545,691.388 ; 677.545,691.388 677.545,693.928
  Bottom Layer w0.5: 664.515,589.915 v1(667.639,589.915)
VCC_IN: C6.2 C14.1 IC1.2 P10.3 R5.1 R32.2 | length 17.2
  Top Layer w0.6: P10.3@561.315,713.689 561.315,712.191 561.264,712.14 562.005,711.398 C14.1@562.005,708.965 562.005,705.637 ; R32.2@561.965,704.748 562.005,704.788 562.005,705.637 ; v1@562.915,705.663 562.889,705.637 562.005,705.637
  Bottom Layer w0.5: IC1.2@562.955,708.914 IC1.2@565.455,708.914
  Bottom Layer w0.6: IC1.2@562.955,708.914 562.915,708.874 562.915,705.663 563.007,705.755 R5.1@564.083,705.755
  other v1: 562.966,705.79
VUSB: R32.1 X1.1 | length 6.2
  Top Layer w0.3: X1.1@555.532,702.315 557.022,702.315 559.456,704.748 R32.1@560.765,704.748
pads on no net: P10.2 Q1.1 X1.GND X1.Mount

## Polygon pours and split planes (outlines as drawn)
GND on Top Layer "GND" (solid, remove dead copper, pour order 1000): 551.18,716.204 551.205,716.229 685.8,716.229 685.8,581.787 685.724,581.711 551.18,581.711
GND on Bottom Layer "GND" (solid, remove dead copper, pour order 1001): 551.18,716.28 685.8,716.28 685.8,581.685 551.18,581.685

## Keep-outs
Keep-Out Layer:
  the board outline again, w0.3

## Silkscreen, mask and mechanical layers (free items; w line width, h text height)
Mechanical 6:
  the board outline again, w0.3

## Text inside footprints (layer, text, board x,y; h text height)
P9: Top Overlay "2" at 564.363,584.276 h1.27 r90; Top Overlay "1" at 566.903,584.784 h1.27 r90; Top Overlay "9" at 566.903,598.5 h1.27 r90; Top Overlay "10" at 564.363,598.5 h1.27 r90
X1: Top Overlay "1" at 555.882,702.915 h0.6 r270; Top Overlay "5" at 555.882,699.315 h0.6 r270